# Altium PCB Copy of PCB1.PcbDoc (part 2 of 2)
Units mil, origin at the board's own origin, x right, y up, seen from the top; angles counter-clockwise.
Board outline 3937 x 3937.01 mil, 4 copper layers (Top Layer, GND_02, PWR_03, Bottom Layer), stack 23.756 mil thick; 235 components, 113 nets, 583 pads, 552 vias.
Unrouted connection lines stored in the file: 1.
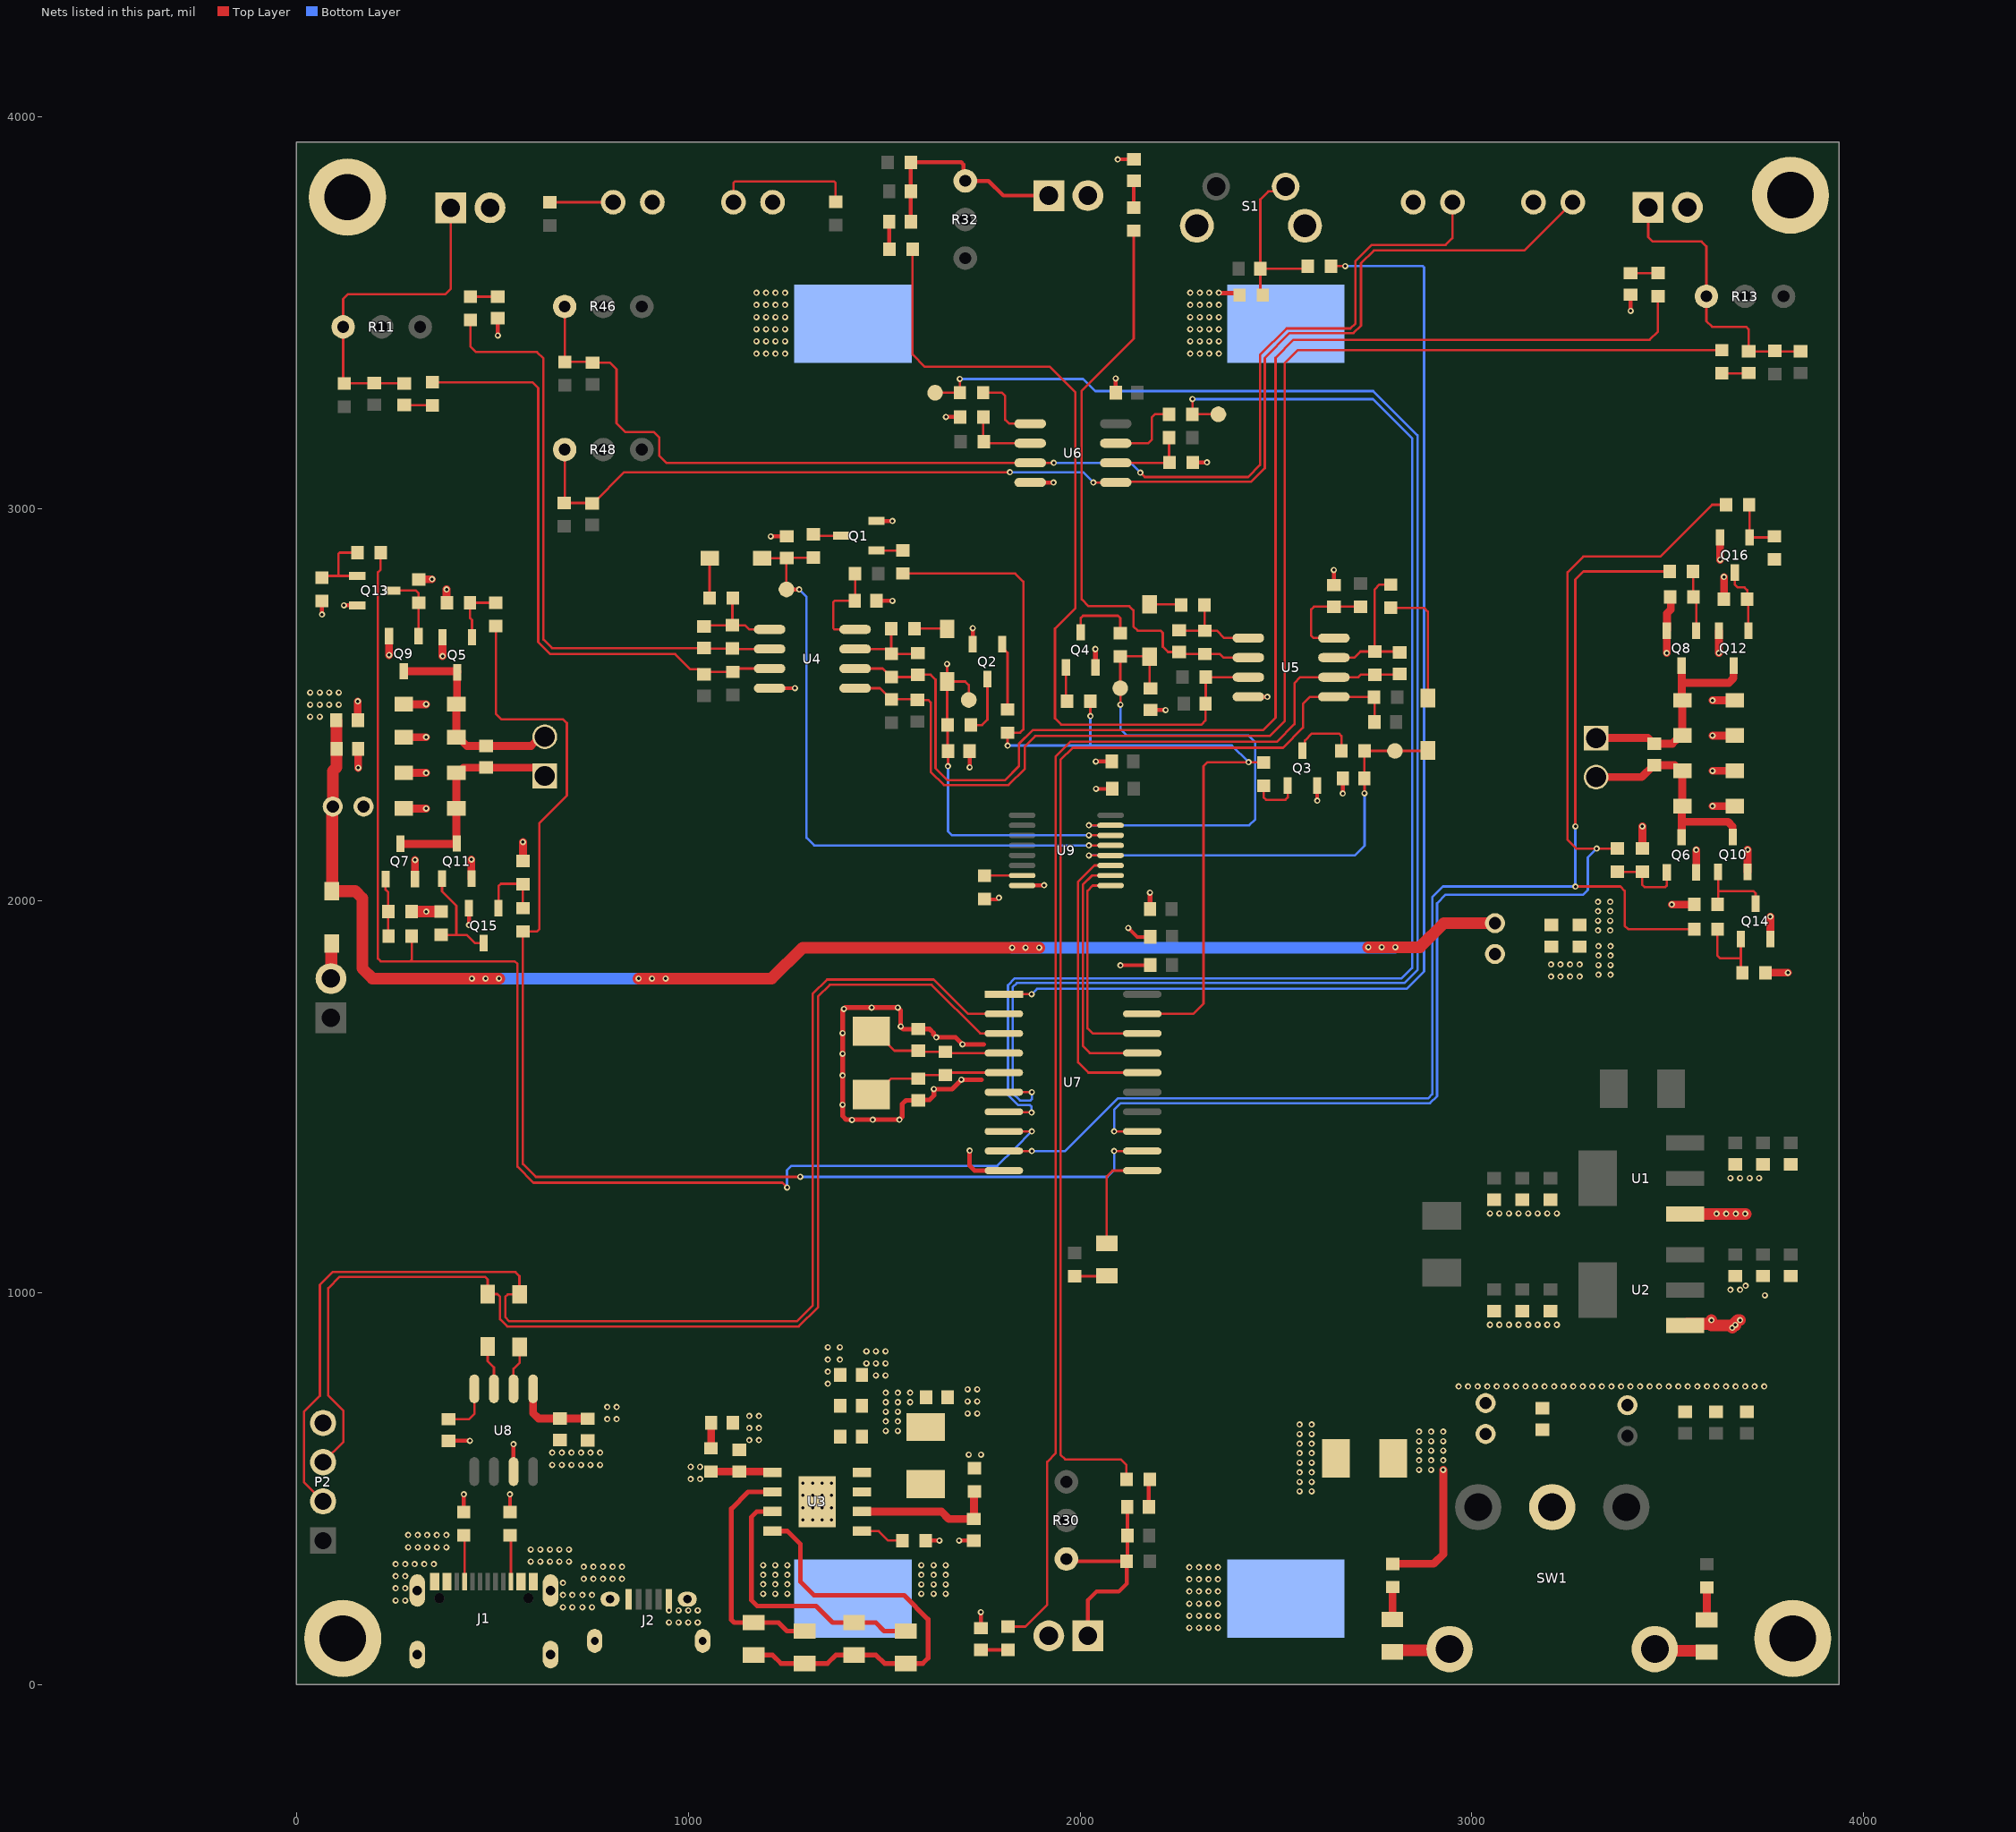
[diagram p4: the nets of this part, all layers, seen from the top]

## Via types
v1: diameter 16, hole 8, Top Layer to Bottom Layer, 552 vias

## Nets (pads, with @x,y where several pads share a name; then routed paths per layer and width w, separated by ;. In a path a pad name is that pad's centre, name@x,y a point inside that pad or via, vN(x,y) a via of type N, cw(c..) or ccw(c..) an arc to the next point about the centre after c; other vN are vias at no path point) (continued)
GND: BT1.2 BT2.2 C1.1 C2.1 C3.1 C4.1 C5.1 C6.1 C7.1 C8.1 C9.1 C10.1 C11.1 C12.1 C13.2 C14.2 C15.2 C16.1 C17.2 C18.1 C19.2 C20.1 C21.1 C22.1 C23.1 C24.1 C25.1 C26.2 C33.1 C34.1 C37.1 C38.1 C40.2 C47.1 C48.1 C49.1 C51.1 C52.2 C53.1 C54.1 C55.2 C56.1 C57.1 C58.1 C63.2 C64.1 C65.1 C66.1 C68.2 C69.2 C70.1 C71.1 C72.2 C73.2 D10.1 D11.1 D12.1 D13.1 H1.1 H2.1 H3.1 H4.1 J1.17 J1.18 J1.19 J1.20 J1.A1 J1.A12 J1.B1 J1.B12 J2.5 J2.6 LED5.2 LED6.2 LED7.1 LED8.1 LED9.2 LED10.2 MIC1.2 MIC2.2 MIC3.2 MIC4.2 P2.4 Q1.2 Q2.2 Q3.2 Q4.2 Q9.2 Q10.2 Q11.2 Q12.2 Q13.2 Q14.2 Q15.2 Q16.2 R1.1 R2.2 R7.1 R63.1 R65.1 R74.1 R75.1 R76.1 R77.1 R79.1 R82.1 S1.3 S1.4 SW1.4 SW1.5 U1.1 U2.1 U3.9 U4.4 U5.4 U6.4 U7.10 U8.3 U9.8 | length 4282.7
  Top Layer w10: v1(65,2731) R76.1@65,2765.34 ; v1(120.97,2754.4) Q13.2@155.32,2754.4 ; C63.2@388,622.44 v1(442.56,622.44) ; R1.1@427,440.31 v1(427,486) ; v1(440.4,1938.6) Q15.2@440.4,1981.68 ; v1(514,3443) C37.1@514,3487 ; R2.2@545,440.31 v1(545,486) ; U8.3@554,544 v1(554,614) ; U4.4@1207.5,2542.98 v1(1271.98,2542.98) ; v1(1210.58,2930.53) C33.1@1251.6,2930.53 ; C26.2@1480.15,2765.98 v1(1521.18,2765.98) ; Q1.2@1480.28,2969.58 v1(1521.3,2969.58) ; R7.1@1605.65,368 v1(1641,368) ; v1(1657.35,3235) R63.1@1693.69,3235 ; v1(1691.11,367.89) C25.1@1729,367.89 ; v1(1718.15,2340.95) C34.1@1718.15,2381.98 ; Q2.2@1726,2655.35 v1(1726,2696.37) ; C49.1@1746.9,144.21 v1(1746.9,185.1) ; R82.1@1756,2005.34 1757.35,2004 1787.38,2004 1791.38,2008 v1(1793,2008) ; U9.8@1852.2,2039.4 1852.5,2039.7 1907.7,2039.7 v1(1908,2040) ; U6.4@1872.7,3068 v1(1932,3068) ; v1(2039.89,2356) C73.2@2080.89,2356 ; v1(2040.89,2286) C72.2@2081.89,2286 ; C58.1@2090.89,3297 v1(2090.89,3333.34) ; v1(2096.11,3892.56) C51.1@2137,3892.56 ; v1(2103,1836) C66.1@2180.44,1836 ; v1(2123,1931) 2146,1908 C65.1@2180.44,1908 ; C48.1@2179.6,2487.42 v1(2218.08,2487.42) ; R65.1@2287.31,3119 v1(2323.65,3119) ; U5.4@2429.5,2520.98 v1(2478,2520.99) ; v1(2605.2,2255.82) Q3.2@2605.2,2294.3 ; C40.2@2647.6,2806.09 v1(2647.6,2844.56) ; v1(2670.49,2274.5) C47.1@2670.49,2312.98 ; v1(3405,3506) C38.1@3405,3547
  Top Layer w12: v1(1718,1363) 1718,1325 1731,1312 U7.10@1805.33,1312 ; 1748,1544 v1(1697,1544) 1673,1520 v1(1627,1520) 1627,1503.89 1615.69,1492.58 1588.13,1492.58 C70.1@1587,1491.44 1555.44,1491.44 1546,1482 1546,1449.03 v1(1538.97,1442) v1(1470.99,1442) 1403,1442 1394,1451 v1(1394,1480) v1(1394,1555) v1(1394,1610) v1(1394,1663) 1394,1720.97 v1(1397.51,1724.49) 1401.03,1728 v1(1468,1728) v1(1534.97,1728) 1542,1720.97 v1(1542,1679.97) 1549.03,1672.94 1586.83,1672.94 C71.1@1587,1673.11 1615.89,1673.11 1626,1663 1626,1659.03 v1(1633.03,1652) 1682,1652 v1(1700,1634) 1753.76,1634 ; Q4.2@2039.2,2596.3 v1(2039.2,2642.8) ; C64.1@2178.44,1979 v1(2178.44,2021.44) ; v1(2354.13,3552) 2354.9,3551.23 2401.77,3551.23 R79.1@2407,3546
  Top Layer w20: C54.1@156.56,2461 v1(156.56,2509.28) ; v1(157.56,2339.72) C53.1@157.56,2388 ; v1(236.4,2627.4) Q9.2@236.4,2675.68 ; D10.1@274.1,2236 v1(331,2236) ; D11.1@274.1,2502 v1(331,2502) ; Q11.2@446.6,2057.32 v1(446.6,2105.6) ; R74.1@578,2102.31 v1(578,2150.59) ; v1(3614,2332) D13.1@3670.9,2332 ; v1(3614,2422) D12.1@3670.9,2422 ; v1(3630.4,2632.78) Q12.2@3630.4,2689.68 ; v1(3633.4,2870.78) Q16.2@3633.4,2927.68 ; Q10.2@3703.6,2074.32 v1(3703.6,2131.22) ; R77.1@3749.65,1817 v1(3806.56,1817) ; Q14.2@3761.6,1903.32 v1(3761.6,1960.22)
  Top Layer w30: LED6.2@2797,84 2800.45,87.45 2939.75,87.45 SW1.4@2943.2,90.9 ; SW1.5@3466.8,90.9 3470.75,86.95 3595.05,86.95 LED5.2@3599,83 ; U2.1@3544.2,916.5 3548.5,920.8 3601.66,920.8 v1(3611.24,930.38) ; U1.1@3544.2,1201.5 v1@3698.5,1201.5 ; 3611.24,916.5 v1@3664.44,916.5 ; v1(3664.44,911) v1@3664.44,916.5 ; v1@3672.18,916.5 v1(3672.18,918.19) ; v1(3684.37,930.38) 3678.32,930.38 v1@3664.44,916.5
  other v1: 951,159 975.38,159 999.75,159 1024.13,159 951,190 975.38,190 999.75,190 1024.13,190 680,198 704.38,198 730,198 754.38,198 253,215 277.38,215 680,229 704.38,229 730,229 754.38,229 1191,232 1222,232 1253,232 1595,231.87 1626,231.87 1657,231.87 253,246 277.38,246 1191,256.38 1222,256.38 1253,256.38 1595,256.25 1626,256.25 1657,256.25 680,260 253,277 277.38,277 1191,280.75 1222,280.75 1253,280.75 1595,280.62 1626,280.62 1657,280.62 1191,305.13 1222,305.13 1253,305.13 1595,305 1626,305 1657,305 253,308 277.38,308 301.75,308 326.13,308 350.51,308 1292.87,421 1317.25,421 1341.62,421 1366,421 1292.87,452 1317.25,452 1341.62,452 1366,452 1292.87,483 1317.25,483 1341.62,483 1366,483 1292.87,514 1317.25,514 1341.62,514 1366,514 653,561 677.38,561 701.75,561 726.13,561 750.51,561 774.89,561 653,592 677.38,592 701.75,592 726.13,592 750.51,592 774.89,592 1155.62,624 1180,624 1155.62,655 1180,655 1155.62,686 1180,686 1713,692 1737.38,692 1713,723 1737.38,723 1713,754 1737.38,754 2966,761 2990.38,761 3014.75,761 3039.13,761 3063.51,761 3087.89,761 3112.26,761 3136.64,761 3161.02,761 3185.39,761 3209.77,761 3234.15,761 3258.53,761 3282.9,761 3307.28,761 3331.66,761 3356.04,761 3380.41,761 3404.79,761 3429.17,761 3453.54,761 3477.92,761 3502.3,761 3526.68,761 3551.05,761 3575.43,761 3599.81,761 3624.18,761 3648.56,761 3672.94,761 3697.32,761 3721.69,761 3746.07,761 1356,768 1356,799 1356,830 1387,830 1356,861 1387,861 3046,918.56 3070.38,918.56 3094.75,918.56 3119.13,918.56 3143.51,918.56 3167.89,918.56 3192.26,918.56 3216.64,918.56 3747.56,993.57 3660,1008 3684.38,1008 3698.81,1017.95 3624.62,1202 3649,1202 3673.38,1202 3697.75,1202 3046,1202.56 3070.38,1202.56 3094.75,1202.56 3119.13,1202.56 3143.51,1202.56 3167.89,1202.56 3192.26,1202.56 3216.64,1202.56 3660,1293 3684.38,1293 3708.75,1293 3733.13,1293 1418,1441 3201.87,1807 3226.25,1807 3250.62,1807 3275,1807 3323,1812 3354,1812 3323,1836.38 3354,1836.38 3201.87,1838 3226.25,1838 3250.62,1838 3275,1838 3323,1860.75 3354,1860.75 3323,1885.13 3354,1885.13 2281,3397 2305.38,3397 2329.75,3397 2354.13,3397 2281,3428 2305.38,3428 2329.75,3428 2354.13,3428 2281,3459 2305.38,3459 2329.75,3459 2354.13,3459 2281,3490 2305.38,3490 2329.75,3490 2354.13,3490 2281,3521 2305.38,3521 2329.75,3521 2354.13,3521 2281,3552 2305.38,3552 2329.75,3552
MCU_RXD: D15.2 P2.2 U7.2 | length 3395.3
  Top Layer w6: P2.2@68,468 19,517 19,696.33 59.67,737 59.67,1020.67 92,1053 559,1053 569.01,1042.99 569.01,996.89 D15.2@570,995.9 538.9,995.9 533,990 533,938 543.39,927.61 1277.61,927.61 1317.57,967.57 1317.57,1762.57 1354.44,1799.43 1626.56,1799.43 1714,1712 U7.2@1805.33,1712
MCU_TXD: D14.1 P2.3 U7.3 | length 3203.2
  Top Layer w6: P2.3@68,568 120,620 120,699 81,738 81,1011.84 110.16,1041 481,1041 488,1034 D14.1@488,996.8 513.2,996.8 519.57,990.43 519.57,932.44 537.82,914.18 1282.18,914.18 1331,963 1331,1756 1361,1786 1621,1786 1745,1662 U7.3@1805.33,1662
Motor_5V: C52.1 C53.2 C54.2 C55.1 C56.2 C57.2 D5.2 D6.2 D7.2 D8.2 D9.2 Q5.2 Q6.2 Q7.2 Q8.2 R50.2 R51.2 R52.2 R53.2 R66.2 R67.2 R68.2 R69.2 | length 4786.9
  Top Layer w20: C54.2@101.44,2461 C54.2@101.94,2460.5 ; D6.2@274.1,2327 v1(331,2327) ; D7.2@274.1,2418 v1(331,2418) ; Q7.2@302.6,2056.32 v1(302.6,2104.6) ; R67.2@312,2820.31 312.69,2821 v1(346,2821) ; v1(372.8,2624.72) Q5.2@372.8,2673 ; R51.2@383,2761.69 v1(383,2795) ; R53.2@3435,2133.66 v1(3435,2190.56) ; v1(3497.4,2632.78) Q8.2@3497.4,2689.68 3497,2690.08 3497.87,2690.95 3497.87,2733.87 3508,2744 3508,2773.69 R52.2@3505.69,2776 ; v1(3510.44,1991) R69.2@3567.35,1991 ; Q6.2@3572.6,2073.32 v1(3572.6,2130.22) ; v1(3614,2242) D9.2@3670.9,2242 ; v1(3614,2512) D8.2@3670.9,2512 ; R68.2@3643.35,2770 v1(3643.35,2826.9)
  Top Layer w30: C54.2@101.44,2461 101.44,2459.03 102.44,2458.03 C53.2@102.44,2388 102.44,2341.44 92.63,2331.63 C52.1@92.63,2241 91.31,2239.68 91.31,2026.22 D5.2@90,2024.9 150.43,2024.9 168,2007.33 168,1828 194,1802 v1(448,1802) v1(482.5,1802) v1(517,1802) ; R50.2@293.65,1973 R66.2@369,1973 ; v1(873,1802) v1(907.5,1802) v1(942,1802) 1213,1802 1292,1881 v1(1826.5,1881) v1(1861,1881) v1(1895.5,1881) ; v1(2735.5,1882) v1(2770,1882) v1(2804.5,1882) 2867,1882 2928.37,1943.37 C55.1@3059,1943.37
  Bottom Layer w30: v1(448,1802) v1(482.5,1802) v1(517,1802) v1(873,1802) v1(907.5,1802) v1(942,1802) ; v1(1826.5,1881) v1(1861,1881) v1(1895.5,1881) 2803.5,1881 v1(2804.5,1882)
  other v1: 3322,1925 3353,1925 3322,1949.38 3353,1949.38 331.33,1973 3322,1973.75 3353,1973.75 3322,1998.13 3353,1998.13 35,2470 59.38,2470 35,2501 59.38,2501 83.75,2501 108.13,2501 35,2532 59.38,2532 83.75,2532 108.13,2532
Motor_L+: R58.1 R72.2 U7.8 | length 3474.7
  Top Layer w6: R72.2@214.65,2889 214.65,2845.66 207.93,2838.93 207.93,1853.07 215,1846 290.8,1846 ; R58.1@294.31,1910 294.31,1849.51 290.8,1846 ; v1(1252,1269) 1240,1281 605,1281 564,1322 564,1839 557,1846 290.8,1846 ; U7.8@1805.33,1412 v1(1877,1412)
  Bottom Layer w6: v1(1252,1269) 1252,1313 1263,1324 1789,1324 1834.54,1369.54 v1(1877,1412)
Motor_L-: R59.2 R70.2 U7.12 | length 3257.4
  Top Layer w6: R59.2@509,2701.34 509,2478 523.5,2463.5 680.5,2463.5 690,2454 690,2269 620,2199 620,1928 614.35,1922.34 R70.2@578,1922.34 578,1329 611,1296 v1(1286,1296) ; v1(2087,1362) U7.12@2158.67,1362
  Bottom Layer w6: v1(1286,1296) 2070,1296 2087,1313 v1(2087,1362)
Motor_R+: R60.1 R73.2 U7.9 | length 3466.2
  Top Layer w6: U7.9@1805.33,1362 v1(1877,1362) ; v1(3264,2037) 3379,2037 3390,2026 3390,1937 3399,1928 R73.2@3567.35,1928 ; v1(3264,2190.5) 3264,2820 3285,2841 R60.1@3505,2841
  Bottom Layer w6: v1(1877,1362) 1962,1362 2096,1496 2888,1496 2899,1507 2899,2010 2926,2037 v1(3264,2037) v1(3264,2190.5)
Motor_R-: R61.2 R71.2 U7.13 | length 3266.1
  Top Layer w6: v1(2087,1412) U7.13@2158.67,1412 ; R61.2@3371,2133.66 v1(3318.67,2133.66) 3266.35,2133.66 3244,2156 3244,2839 3284,2879 3481,2879 3613,3011 R71.2@3648.35,3011
  Bottom Layer w6: v1(2087,1412) 2087,1467 2104,1484 2892.97,1484 2911,1502.03 2911,1994 2933,2016 3284,2016 3295.88,2027.88 3295.88,2110.86 v1(3318.67,2133.66)
NetC24_2: C24.2 R3.1 | length 65.9
  Top Layer w20: R3.1@1058,603.31 1058.22,603.53 1058.22,668.78 C24.2@1058.44,669
NetC25_2: C25.2 R5.1 U3.6 | length 364.1
  Top Layer w20: U3.6@1443.5,442 1646,442 1665,423 C25.2@1729,423 1729.5,423.5 1729.5,492.84 R5.1@1730,493.34
NetC26_1: C26.1 R8.1 U4.8 | length 249.1
  Top Layer w6: U4.8@1425.8,2692.98 1373.49,2692.98 1369.98,2696.49 1369.98,2762.46 1373.49,2765.98 C26.1@1425.04,2765.98 1425.94,2766.88 R8.1@1425.94,2834.98
NetC27_1: C27.1 R9.1 R15.2 U4.3 | length 1554.7
  Top Layer w6: R15.2@347,3323.66 602.35,3323.66 617,3309 617,2661 648,2630 967,2630 1005.72,2591.28 1026.85,2591.28 C27.1@1039.6,2578.53 1045.7,2584.63 R9.1@1113.6,2584.63 1121.94,2592.98 U4.3@1207.5,2592.98
NetC28_1: C28.1 R10.1 R16.2 U4.5 | length 3446
  Top Layer w6: U4.5@1425.8,2542.98 1489.12,2542.98 1517.47,2514.63 R10.1@1518.6,2514.63 1582.94,2514.63 C28.1@1584.6,2512.98 1612.6,2512.98 1619,2506.58 1619,2329.79 1652.79,2296 1817.21,2296 1859,2337.79 1859,2394.79 1885.21,2421 2484.19,2421 2522,2458.81 2522,3372 2555.65,3405.66 R16.2@3638,3405.66
NetC29_1: C29.1 C31.1 MIC1.1 R11.3 R12.1 | length 862
  Top Layer w6: C31.1@275,3320.56 274.9,3320.66 R12.1@122,3320.66 119.2,3323.45 R11.3@119.2,3465 119.2,3536.2 131,3548 379.55,3548 394,3562.45 MIC1.1@394,3769
NetC30_1: C30.1 C32.1 MIC2.1 R13.3 R14.1 | length 731.6
  Top Layer w6: MIC2.1@3450,3770 3450,3694 3461,3683 3586,3683 3598.6,3670.4 R13.3@3598.6,3543 3598.6,3479.4 3613,3465 3700,3465 3706,3459 C32.1@3706,3402.56 3771.9,3402.56 R14.1@3773,3403.66 3774.1,3402.56 C30.1@3839,3402.56
NetC31_2: C31.2 R15.1 | length 72.5
  Top Layer w6: C31.2@275,3265.44 345.9,3265.44 R15.1@347,3264.34
NetC32_2: C32.2 R16.1 | length 68.5
  Top Layer w6: R16.1@3638,3346.34 3704.9,3346.34 C32.2@3706,3347.44
NetC35_1: C35.1 R23.2 R24.1 U4.2 | length 1571.2
  Top Layer w6: R23.2@444,3482.9 444,3415 458,3401 614,3401 630.58,3384.42 630.58,2667.42 652.58,2645.42 C35.1@1039.6,2645.42 1040.7,2644.32 R24.1@1112.6,2644.32 1113.94,2642.98 U4.2@1207.5,2642.98
NetC35_2: C35.2 R17.1 R24.2 U4.1 | length 243.4
  Top Layer w6: C35.2@1039.6,2700.53 1042.7,2703.63 R24.2@1112.6,2703.63 ; R17.1@1113.6,2772.98 1112.6,2771.98 R24.2@1112.6,2703.63 ; U4.1@1207.5,2692.98 1155.73,2692.98 1145.07,2703.63 R24.2@1112.6,2703.63
NetC36_1: C36.1 R25.2 R26.1 U4.6 | length 3440
  Top Layer w6: U4.6@1425.8,2592.98 1495.81,2592.98 1517.47,2571.32 R26.1@1518.6,2571.32 1579.5,2571.32 C36.1@1585.6,2577.42 1618.58,2577.42 1631,2565 1631,2339 1662,2308 1808,2308 1844,2344 1844,2401 1879,2436 2467,2436 2499,2468 2499,3386 2545,3432 3454,3432 3475,3453 R25.2@3475,3542.9
NetC36_2: C36.2 R18.1 R26.2 U4.7 | length 230.3
  Top Layer w6: U4.7@1425.8,2642.98 1505.12,2642.98 1517.47,2630.63 R26.2@1518.6,2630.63 ; R18.1@1517.94,2694.98 1517.94,2631.29 R26.2@1518.6,2630.63 ; C36.2@1585.6,2632.53 1583.7,2630.63 R26.2@1518.6,2630.63
NetC37_2: C37.2 R23.1 | length 70
  Top Layer w6: R23.1@444,3542.21 444.1,3542.11 C37.2@514,3542.11
NetC38_2: C38.2 R25.1 | length 70
  Top Layer w6: C38.2@3405,3602.11 3405.1,3602.21 R25.1@3475,3602.21
NetC39_1: C39.1 R28.1 R34.2 U5.5 | length 2955.2
  Top Layer w6: R34.2@2118.35,524 2118.35,560.66 2104,575 1962,575 1950,587 1950,2359.79 1981.21,2391 2518,2391 2569,2442 2569,2503 2586.98,2520.98 U5.5@2647.8,2520.98 2748.94,2520.98 2751.44,2518.48 C39.1@2751.44,2457
NetC40_1: C40.1 R27.1 U5.8 | length 255.8
  Top Layer w6: U5.8@2647.8,2670.98 2595.88,2670.98 2590.02,2676.83 2590.02,2744.02 2596.98,2750.98 C40.1@2647.6,2750.98 R27.1@2715.6,2750.98
NetC41_1: C41.1 R29.1 R35.2 U5.3 | length 2192.3
  Top Layer w6: R35.2@1572.65,3663 1572.65,3394.34 1604,3363 1923,3363 1988,3298 1988,2747 1936,2695 1936,2466 1952,2450 2310,2450 2320.15,2460.16 C41.1@2320.15,2503.98 2320.6,2504.42 R29.1@2320.6,2570.98 U5.3@2429.5,2570.98
NetC42_1: C42.1 C44.1 MIC4.1 R30.3 R31.1 | length 560.9
  Top Layer w10: R30.3@1965,321 1971,315 R31.1@2119,315 ; MIC4.1@2020,125 2020,216 2042,238 2099,238 2119,258 R31.1@2119,315 ; C44.1@2120.44,454 2121,453.44 C42.1@2121,381 2121,317 R31.1@2119,315
NetC43_1: C43.1 C45.1 MIC3.1 R32.3 R33.1 | length 561.1
  Top Layer w10: C45.1@1568.11,3733 1568.02,3733.09 R33.1@1568.02,3885 1696.74,3885 1702.6,3879.14 1702.6,3841.8 R32.3@1707,3837.4 1766.6,3837.4 1804,3800 MIC3.1@1920,3800
NetC44_2: C44.2 R34.1 | length 70.9
  Top Layer w10: C44.2@2175.56,454 2175.56,521.9 R34.1@2177.65,524
NetC45_2: C45.2 R35.1 | length 70.1
  Top Layer w10: C45.2@1513,3733 1513,3663.34 R35.1@1513.35,3663
NetC46_1: C46.1 R40.2 R41.1 U5.6 | length 3324
  Top Layer w6: R40.2@1815.9,148.31 1860.31,148.31 1916,204 1916,569 1938,591 1938,2369 1975,2406 2502,2406 2547,2451 2547,2556 2561.98,2570.98 U5.6@2647.8,2570.98 2709.98,2570.98 2716.35,2577.34 R41.1@2752,2577.34 2813.9,2577.34 C46.1@2816,2579.44
NetC46_2: C46.2 R36.1 R41.2 U5.7 | length 380.2
  Top Layer w6: U5.7@2647.8,2620.98 2699.98,2620.98 2715.65,2636.66 R41.2@2752,2636.66 ; R36.1@2793,2807.31 2764.31,2807.31 2752,2795 R41.2@2752,2636.66 ; C46.2@2816,2634.56 2815.76,2634.31 2813.41,2636.66 R41.2@2752,2636.66
NetC49_2: C49.2 R40.1 | length 69
  Top Layer w10: C49.2@1746.9,89.1 1747,89 R40.1@1815.9,89
NetC50_1: C50.1 R44.2 R45.1 U5.2 | length 1527.2
  Top Layer w6: R44.2@2137,3710.34 2137,3435 2004,3302 2004,2770 2022,2752 2126,2752 2136,2742 2136,2701 2147.02,2689.98 2205.02,2689.98 2211.1,2683.9 2211.1,2648.9 2224.58,2635.42 C50.1@2252.6,2635.42 2257.7,2630.32 R45.1@2318.6,2630.32 2356.68,2630.32 2366.02,2620.98 U5.2@2429.5,2620.98
NetC50_2: C50.2 R37.1 R45.2 U5.1 | length 250.8
  Top Layer w6: C50.2@2252.6,2690.53 2253.5,2689.63 R45.2@2318.6,2689.63 ; R37.1@2317.6,2754.98 2317.6,2690.63 R45.2@2318.6,2689.63 ; U5.1@2429.5,2670.98 2368.02,2670.98 2349.37,2689.63 R45.2@2318.6,2689.63
NetC51_2: C51.2 R44.1 | length 67.8
  Top Layer w10: R44.1@2137,3769.66 C51.2@2137,3837.44
NetC59_1: C59.1 LED7.2 R46.3 R47.1 U6.3 | length 3238.5
  Top Layer w6: R46.3@684.6,3517 684.6,3376.06 R47.1@685,3375.66 753.9,3375.66 C59.1@756,3373.56 800.44,3373.56 817,3357 817,3219 839,3197 911.49,3197 926,3182.49 926,3136 944,3118 U6.3@1872.7,3118 v1(1933,3118) ; v1(2154,3093) 2165.1,3081.9 2429.1,3081.9 2459.4,3112.2 2459.4,3393.4 2527,3461 2690,3461 2703,3474 2703,3633 2744,3674 2933,3674 2950.3,3691.3 LED7.2@2950.3,3783
  Bottom Layer w6: v1(1933,3118) 2129,3118 v1(2154,3093)
NetC60_1: C60.1 LED8.2 R48.3 R49.1 U6.5 | length 3309.5
  Top Layer w6: R48.3@684.6,3152 684.6,3017.25 R49.1@683,3015.66 753.9,3015.66 C60.1@755,3014.56 756.97,3014.56 836.41,3094 v1(1821,3094) ; v1(2034,3068) U6.5@2091,3068 2092.9,3069.9 2436.9,3069.9 2471.4,3104.4 2471.4,3385.6 2534.8,3449 2697.8,3449 2717,3468.2 2717,3627.2 2749.8,3660 3134.3,3660 LED8.2@3257.3,3783
  Bottom Layer w6: v1(1821,3094) 2008,3094 v1(2034,3068)
NetC61_1: C61.1 D6.1 D10.2 J3.1 Q7.3 Q11.3 | length 568.3
  Top Layer w20: Q7.3@265.47,2146.16 Q7.3@265,2145.69 408.53,2145.69 409,2146.16 Q11.3@409,2146.69 ; Q11.3@408.53,2147.16 Q11.3@409,2146.69 ; D10.2@408.53,2235.37 D10.2@407.9,2236 ; J3.1@634,2319 612.56,2340.44 C61.1@484,2340.44 426.24,2340.44 412.8,2327 D6.1@407.9,2327 D10.2@407.9,2236 ; D10.2@407.9,2236 407.9,2158.38 409,2157.28 Q11.3@409,2146.69
NetC61_2: C61.2 D7.1 D11.2 J3.2 Q5.3 Q9.3 | length 550.6
  Top Layer w20: Q9.3@274,2586.31 409.93,2586.31 410.4,2585.84 Q5.3@410.4,2583.63 409.93,2583.16 409.93,2504.03 D11.2@407.9,2502 D7.1@407.9,2418 412.8,2418 435.24,2395.56 C61.2@484,2395.56 598.92,2395.56 622.36,2419 J3.2@634,2419
NetC62_1: C62.1 D8.1 D12.2 J4.1 Q8.3 Q12.3 | length 582.7
  Top Layer w20: J4.1@3317,2416 3449.59,2416 3464.03,2401.56 C62.1@3466,2401.56 3511.78,2401.56 D12.2@3523.5,2413.27 ; D12.2@3523.5,2413.3 3532.2,2422 D12.2@3537.1,2422 D8.1@3537.1,2512 3535.47,2513.63 3535.47,2556.73 ; Q8.3@3535,2600.31 3535.47,2599.84 3535.47,2556.73 ; Q12.3@3668,2600.31 3667.53,2599.84 3667.53,2568.45 3655.81,2556.73 3535.47,2556.73
NetC62_2: C62.2 D9.1 D13.2 J4.2 Q6.3 Q10.3 | length 570.3
  Top Layer w20: J4.2@3317,2316 3433.59,2316 3464.03,2346.44 C62.2@3466,2346.44 3517.76,2346.44 3532.2,2332 D13.2@3537.1,2332 D9.1@3537.1,2242 3535.47,2240.37 3535.47,2201.77 ; Q6.3@3535,2162.69 3535.47,2163.16 3535.47,2201.77 ; Q10.3@3666,2163.69 3665.53,2164.16 3665.53,2190.05 3653.81,2201.77 3535.47,2201.77
NetC63_1: C63.1 U8.8 | length 135.8
  Top Layer w6: C63.1@388,677.56 440.56,677.56 454,691 U8.8@454,755.2
NetC67_1: C67.1 R78.1 R79.2 S1.1 | length 448.8
  Top Layer w6: R79.2@2466.31,3546 2460,3552.31 C67.1@2460,3613 ; S1.1@2524.6,3823 2512.18,3810.58 2480.58,3810.58 2460,3790 C67.1@2460,3613 ; R78.1@2581,3620 2574,3613 C67.1@2460,3613
NetD1_1: D1.1 R17.2 | length 102.2
  Top Layer w6: R17.2@1054.29,2772.98 1054.29,2874.57 D1.1@1054.7,2874.98
NetD2_1: D2.1 R18.2 | length 83.8
  Top Layer w6: R18.2@1577.26,2694.98 1659.5,2694.98 D2.1@1660.6,2693.88
NetD3_1: D3.1 R36.2 | length 319.1
  Top Layer w6: R36.2@2793,2748 2878,2748 2887.6,2738.4 D3.1@2887.6,2517.88
NetD4_1: D4.1 R37.2 | length 81.5
  Top Layer w6: D4.1@2177.6,2756.88 2256.39,2756.88 R37.2@2258.29,2754.98
NetD5_1: D5.1 P1.2 | length 89.9
  Top Layer w30: P1.2@88,1802 89,1803 89,1890.1 D5.1@90,1891.1
NetD14_2: D14.2 U8.7 | length 114.4
  Top Layer w6: D14.2@488,863 488,826 504,810 U8.7@504,755.2
NetD15_1: D15.1 U8.6 | length 113.5
  Top Layer w6: U8.6@554,755.2 554,806 570,822 D15.1@570,862.1
NetJ1_A5: J1.A5 R1.2 | length 118.9
  Top Layer w6: R1.2@427,381 429.26,378.74 J1.A5@429.26,263
NetJ1_B5: J1.B5 R2.1 | length 119
  Top Layer w6: R2.1@545,381 547.37,378.63 J1.B5@547.37,263
NetLED1_1: LED1.1 LED2.2 U3.2 | length 604.7
  Top Layer w12: U3.2@1214.5,492 1153,492 1110,449 1110,165.38 1117.03,158.35 LED1.1@1167,158.35 1230.65,158.35 1251.92,137.08 LED2.2@1297,137.08
NetLED1_2: LED1.2 LED2.1 LED3.2 LED4.1 U3.4 | length 1123
  Top Layer w12: LED1.2@1167,75.65 1215.35,75.65 1236.62,54.38 LED2.1@1297,54.38 1355.38,54.38 1376.65,75.65 LED3.2@1423,75.65 1479.35,75.65 1500.62,54.38 LED4.1@1555,54.38 1598.38,54.38 1612,68 1612,167 1551,228 1321,228 1286,263 1286,359 1253,392 U3.4@1214.5,392
NetLED3_1: LED3.1 LED4.2 U3.3 | length 698
  Top Layer w12: U3.3@1214.5,442 1175,442 1161,428 1161,216 1176,201 1326,201 1368.65,158.35 LED3.1@1423,158.35 1478.65,158.35 1499.92,137.08 LED4.2@1555,137.08
NetLED5_1: LED5.1 R4.1 | length 83.1
  Top Layer w20: LED5.1@3599,165.7 3599.5,166.2 3599.5,247.84 R4.1@3600,248.34
NetLED6_1: LED6.1 R6.1 | length 83.1
  Top Layer w20: LED6.1@2797,166.7 2797.5,167.2 2797.5,248.84 R6.1@2798,249.34
NetLED9_1: LED9.1 R54.1 | length 161.4
  Top Layer w6: R54.1@647,3782.66 647.35,3783 LED9.1@808.3,3783
NetLED10_1: LED10.1 R55.1 | length 361.9
  Top Layer w6: LED10.1@1115.3,3783 1115.3,3832.49 1118.81,3836 1372.49,3836 1376,3832.49 R55.1@1376,3783.66
NetLED11_1: LED11.1 R81.2 | length 82.5
  Top Layer w6: R81.2@1986,1042.34 2066.69,1042.34 LED11.1@2068,1043.65
NetPL3_1: PL3.1 U3.7
NetQ1_1: Q1.1 R21.2 | length 67.6
  Top Layer w6: Q1.1@1480.28,2894.38 1547,2894.38 R21.2@1547.6,2894.98
NetQ1_3: Q1.3 R19.1 | length 72.7
  Top Layer w6: R19.1@1319.6,2935.29 1322.91,2931.98 Q1.3@1390.91,2931.98
NetQ2_1: Q2.1 R22.2 | length 173.9
  Top Layer w6: Q2.1@1801.2,2655.35 1801.2,2644.76 1806.67,2639.28 1809.14,2639.28 1815,2633.43 R22.2@1815,2488.66
NetQ2_3: Q2.3 R20.1 | length 151.4
  Top Layer w6: R20.1@1721.26,2448.98 1749.98,2448.98 1763.6,2462.6 Q2.3@1763.6,2565.98
NetQ3_1: Q3.1 R42.2 | length 127.2
  Top Layer w6: R42.2@2468.6,2294.32 2468.6,2263.86 2474.46,2258 2524.14,2258 2530,2263.86 Q3.1@2530,2294.3
NetQ3_3: Q3.3 R38.1 | length 169.5
  Top Layer w6: Q3.3@2567.6,2383.67 2573.77,2389.83 2573.77,2409.77 2591,2427 2661,2427 2666.94,2421.06 R38.1@2666.94,2382.98
NetQ4_1: Q4.1 R43.2 | length 87.5
  Top Layer w6: Q4.1@1964,2596.3 1964,2512.92 R43.2@1966.94,2509.98
NetQ4_3: Q4.3 R39.1 | length 180.8
  Top Layer w6: Q4.3@2001.6,2685.67 2001.6,2722.14 2007.46,2728 2096.74,2728 2102.6,2722.14 R39.1@2102.6,2683.63
NetQ5_1: Q5.1 R51.1 R59.1 | length 156.2
  Top Layer w6: Q5.1@448,2673 448,2717 443,2722 R51.1@443,2761 508.65,2761 R59.1@509,2760.66
NetQ6_1: Q6.1 R53.1 R61.1 | length 197.9
  Top Layer w6: R61.1@3371,2074.34 R53.1@3435,2074.34 3435,2041 3440.6,2035.4 3493.89,2035.4 3497.4,2038.91 Q6.1@3497.4,2073.32
NetQ7_1: Q7.1 R50.1 R58.2 | length 149.5
  Top Layer w6: Q7.1@227.4,2056.32 227.4,2028.6 234.35,2021.66 R50.1@234.35,1973 234.35,1910.66 R58.2@235,1910
NetQ8_1: Q8.1 R52.1 R60.2 | length 154.8
  Top Layer w6: R60.2@3564.31,2841 3565,2840.31 R52.1@3565,2776 3572.6,2768.4 Q8.1@3572.6,2689.68
NetQ9_1: Q9.1 Q13.3 R67.1 | length 179.7
  Top Layer w6: Q13.3@244.69,2792 305,2792 312,2785 R67.1@312,2761 312,2676.08 Q9.1@311.6,2675.68
NetQ10_1: Q10.1 Q14.3 R69.1 | length 209
  Top Layer w6: R69.1@3626.65,1991 3628.4,1992.75 3628.4,2025.06 ; Q10.1@3628.4,2074.32 3628.4,2025.06 ; Q14.3@3724,1992.69 3724,2020 3718.94,2025.06 3628.4,2025.06
NetQ11_1: Q11.1 Q15.3 R66.1 | length 277.1
  Top Layer w6: R66.1@369,1913.69 369.45,1913.24 408,1913.24 ; Q11.1@371.4,2057.32 371.4,2024.6 408,1988 408,1913.24 ; Q15.3@478,1892.31 455.69,1892.31 434.76,1913.24 408,1913.24
NetQ12_1: Q12.1 Q16.3 R68.1 | length 172.9
  Top Layer w6: Q16.3@3671,2838.31 3671,2808 3679,2800 3696,2800 3702.65,2793.34 R68.1@3702.65,2770 3705.6,2767.06 Q12.1@3705.6,2689.68
NetQ13_1: Q13.1 R72.1 R76.2 | length 198.1
  Top Layer w6: R76.2@65,2824.66 69.94,2829.6 107,2829.6 ; Q13.1@155.32,2829.6 107,2829.6 ; R72.1@155.35,2889 110.51,2889 107,2885.49 107,2829.6
NetQ14_1: Q14.1 R73.1 R77.2 | length 218
  Top Layer w6: R73.1@3626.65,1928 3626.65,1860.34 3632.94,1854.06 3686.4,1854.06 ; Q14.1@3686.4,1903.32 3686.4,1854.06 ; R77.2@3690.35,1817 3686.4,1820.94 3686.4,1854.06
NetQ15_1: Q15.1 R70.1 R74.2 | length 182.7
  Top Layer w6: Q15.1@515.6,1981.68 515.6,2037.6 522,2044 577,2044 R74.2@578,2043 R70.1@578,1981.66
NetQ16_1: Q16.1 R71.1 R75.2 | length 148.3
  Top Layer w6: R71.1@3707.65,3011 3708.6,3010.06 Q16.1@3708.6,2927.68 3769.03,2927.68 R75.2@3772,2930.66
NetR7_2: R7.2 U3.5 | length 112.8
  Top Layer w6: U3.5@1443.5,392 1486,392 1510,368 R7.2@1546.35,368
NetR56_2: R56.2 U6.1 | length 188.5
  Top Layer w6: R56.2@1752.65,3297 1801,3297 1809,3289 1809,3228 1819,3218 U6.1@1872.7,3218
NetR57_2: R57.2 U6.7 | length 200.4
  Top Layer w6: U6.7@2091,3168 2174,3168 2183,3177 2183,3234 2191,3242 R57.2@2227.35,3242
NetR62_2: R62.2 R63.2 U6.2 | length 183.8
  Top Layer w6: R63.2@1753,3235 1753,3173 R62.2@1754,3172 1758,3168 U6.2@1872.7,3168
NetR64_2: R64.2 R65.2 U6.6 | length 201.4
  Top Layer w6: U6.6@2091,3118 R65.2@2227,3118 ; R64.2@2227,3182 R65.2@2227,3118 ; R65.2@2228,3119 R65.2@2227,3118
NetR82_2: R82.2 U9.7 | length 96.3
  Top Layer w6: R82.2@1756,2064.66 1756.35,2065 U9.7@1852.2,2065
P3_7: LED11.2 U7.11 | length 267.5
  Top Layer w6: LED11.2@2068,1126.35 2068,1297 2083,1312 U7.11@2158.67,1312
Red_light_L: R56.1 TP5.1 U7.6 | length 4158.8
  Top Layer w6: TP5.1@1630,3297 R56.1@1693.35,3297 1693,3297.34 v1(1693,3332) ; U7.6@1805.33,1512 v1(1877,1512)
  Bottom Layer w6: v1(1693,3332) 2008,3332 2039,3301 2748,3301 2861,3188 2861,1824 2827.69,1790.69 1838.69,1790.69 1828,1780 1828,1510 1847,1491 1873.49,1491 1877,1494.51 v1(1877,1512)
Red_light_R: R57.1 TP6.1 U7.7 | length 3547.3
  Top Layer w6: U7.7@1805.33,1462 1806.33,1461 1875,1461 v1(1876,1460) ; v1(2286.65,3280.66) R57.1@2286.65,3242 TP6.1@2353,3242
  Bottom Layer w6: v1(1876,1460) 1876,1475.49 1872.49,1479 1842.03,1479 1816,1505.03 1816,1784.97 1833.72,1802.69 2820.69,1802.69 2847.35,1829.34 2847.35,3180.66 2747.35,3280.66 v1(2286.65,3280.66)
REL_V: R21.1 R22.1 R42.1 R43.1 U7.19 | length 2447
  Top Layer w6: R21.1@1547.6,2835.67 1834.33,2835.67 1855,2815 1855,2437.34 1847.01,2429.34 R22.1@1815,2429.34 v1(1815,2396.62) ; v1(2026.26,2471.75) R43.1@2026.26,2509.98 ; U7.19@2158.67,1712 2289,1712 2315,1738 2315,2344 2325,2354 v1(2430,2354) 2468.23,2354 R42.1@2468.6,2353.63
  Bottom Layer w6: v1(1815,2396.62) 2027,2396.62 ; v1(2026.26,2471.75) 2026.26,2397.37 2027,2396.62 ; v1(2430,2354) 2387.38,2396.62 2027,2396.62
RST: R78.2 U7.1 | length 3132.3
  Top Layer w6: U7.1@1805.33,1762 v1(1876,1762) ; R78.2@2640.31,3620 v1(2677,3620)
  Bottom Layer w6: v1(1876,1762) 1890,1776 2834,1776 2878,1820 2878,3616.49 2874.49,3620 v1(2677,3620)
S0: U7.16 U9.11 | length 735.5
  Top Layer w6: U9.11@2077.8,2090.6 2036.56,2090.6 1995,2049.04 1995,1588 2021,1562 U7.16@2158.67,1562
S1: U7.17 U9.10 | length 651.1
  Top Layer w6: U9.10@2077.8,2065 2030.54,2065 2007,2041.46 2007,1630 2025,1612 U7.17@2158.67,1612
S2: U7.18 U9.9 | length 560.4
  Top Layer w6: U9.9@2077.8,2039.4 2032.4,2039.4 2019,2026 2019,1675 2032,1662 U7.18@2158.67,1662
Signal_1: C33.2 D1.2 R19.2 TP1.1 U9.13 | length 1669.9
  Top Layer w6: D1.2@1188.5,2874.98 C33.2@1251.15,2874.98 ; TP1.1@1250.6,2794.98 1250.6,2874.42 C33.2@1251.15,2874.98 ; R19.2@1319.6,2875.98 1319.04,2875.42 C33.2@1251.6,2875.42 C33.2@1251.15,2874.98 ; v1(2022.2,2141.8) U9.13@2077.8,2141.8
  Top Layer w10: TP1.1@1250.6,2794.98 v1(1283.32,2794.98)
  Bottom Layer w6: v1(1283.32,2794.98) 1302,2776.3 1302,2161 1321.2,2141.8 v1(2022.2,2141.8)
Signal_2: C34.2 D2.2 R20.2 TP2.1 U9.14 | length 943.9
  Top Layer w6: R20.2@1660.6,2448.98 D2.2@1660.6,2560.08 ; v1(1660.6,2604.78) D2.2@1660.6,2560.08 ; R20.2@1661.94,2448.98 1661.94,2383.08 C34.2@1663.04,2381.98 1663,2381.93 v1(1663,2344) ; TP2.1@1716,2513 1716,2551 1706.92,2560.08 D2.2@1660.6,2560.08 ; v1(2022.2,2167.4) U9.14@2077.8,2167.4
  Bottom Layer w6: v1(1663,2344) 1663,2177.51 1673.11,2167.4 v1(2022.2,2167.4)
Signal_3: C48.2 D4.2 R39.2 TP4.1 U9.15 | length 1384.1
  Top Layer w6: v1(2022.2,2193) U9.15@2077.8,2193 ; v1(2103,2501) 2102.8,2501.2 2102.8,2542.78 TP4.1@2102.6,2542.98 R39.2@2102.6,2624.32 2176.35,2624.32 D4.2@2177.6,2623.08 2177.6,2544.53 C48.2@2179.6,2542.53
  Bottom Layer w6: v1(2022.2,2193) 2432,2193 2447,2208 2447,2405 2430,2422 2120,2422 2103,2439 v1(2103,2501)
Signal_4: C47.2 D3.2 R38.2 TP3.1 U9.12 | length 1173.9
  Top Layer w6: v1(2022.2,2116.2) U9.12@2077.8,2116.2 ; v1(2726,2275) 2726,2312.58 C47.2@2725.6,2312.98 2725.6,2382.32 R38.2@2726.26,2382.98 TP3.1@2803.6,2382.98 2886.5,2382.98 D3.2@2887.6,2384.08
  Bottom Layer w6: v1(2022.2,2116.2) 2701.2,2116.2 2726,2141 v1(2726,2275)
VBAT_5V: BT1.1 BT2.1 C16.2 PL3.2 R5.2
  other v1: 2279,145 2303.38,145 2327.75,145 2352.13,145 2279,176 2303.38,176 2327.75,176 2352.13,176 2279,207 2303.38,207 2327.75,207 2352.13,207 2279,238 2303.38,238 2327.75,238 2352.13,238 2279,269 2303.38,269 2327.75,269 2352.13,269 2279,300 2303.38,300 2327.75,300 2352.13,300 1716,587 1747,587 1504,647.87 1535,647.87 1504,672.25 1535,672.25 1504,696.62 1535,696.62 1504,721 1535,721 1566,721 1504,745.38 1535,745.38 1566,745.38 1174,3397 1198.38,3397 1222.75,3397 1247.13,3397 1174,3428 1198.38,3428 1222.75,3428 1247.13,3428 1174,3459 1198.38,3459 1222.75,3459 1247.13,3459 1174,3490 1198.38,3490 1222.75,3490 1247.13,3490 1174,3521 1198.38,3521 1222.75,3521 1247.13,3521 1174,3552 1198.38,3552 1222.75,3552 1247.13,3552
VBUS: C23.2 C68.1 C69.1 J1.A4 J1.A9 J1.B4 J1.B9 J2.1 R3.2 U3.1 U8.5 | length 364.5
  Top Layer w20: U8.5@604,755.2 604,693 617.44,679.56 C68.1@672,679.56 672.5,679.06 742.5,679.06 C69.1@743,678.56 ; R3.2@1058,544 C23.2@1130,544 1200.69,544 1202.69,542 U3.1@1214.5,542
  other v1: 733.49,270 757.87,270 782.25,270 806.62,270 831,270 733.49,301 757.87,301 782.25,301 806.62,301 831,301 598,314 622.38,314 646.75,314 671.13,314 695.51,314 598,345 622.38,345 646.75,345 671.13,345 695.51,345 285,351 309.38,351 333.75,351 358.13,351 382.51,351 285,382 309.38,382 333.75,382 358.13,382 382.51,382 1006,525 1030.38,525 1006,556 1030.38,556 793,678 817.38,678 793,709 817.38,709
VBUS_5V: C17.1 C18.2 PL4.2 R6.2 SW1.2 | length 354.6
  Top Layer w20: R6.2@2798,308.66 2902.65,308.66 2927,333 v1(2927,548.49)
  other v1: 2865,548.49 2896,548.49 2865,572.87 2896,572.87 2927,572.87 2865,597.25 2896,597.25 2927,597.25 2865,621.62 2896,621.62 2927,621.62 2865,646 2896,646 2927,646
VBUS_OUT: C13.1 C14.1 C15.1 PL4.1 U3.8
  other v1: 2560,493.36 2591,493.36 2560,517.74 2591,517.74 2560,542.11 2591,542.11 2560,566.49 2591,566.49 2560,590.87 2591,590.87 2560,615.25 2591,615.25 2560,639.62 2591,639.62 2560,664 2591,664 1479,789 1503.38,789 1454.62,820 1479,820 1503.38,820 1454.62,851 1479,851 1503.38,851
X1: C70.2 R80.1 U7.5 X1.1 | length 361.4
  Top Layer w6: X1.1@1467,1506.29 1476.84,1506.29 1517.11,1546.56 C70.2@1587,1546.56 1596.13,1555.69 R80.1@1656,1555.69 1662.31,1562 U7.5@1805.33,1562
X2: C71.2 R80.2 U7.4 X1.2 | length 361.4
  Top Layer w6: X1.2@1467,1667.71 1476.84,1667.71 1526.55,1618 C71.2@1587,1618 1590,1615 R80.2@1656,1615 1659,1612 U7.4@1805.33,1612
pads on no net: J1.21 J1.22 J1.A8 J1.B8 J2.4 SW1.3 U8.4 U9.1 U9.2 U9.4 U9.5

## Polygon pours and split planes (outlines as drawn)
GND on Top Layer "GND_L01_P012" (solid, pour order 12): 1403,609 1398,604 1345,604 1339,610 1339,867 1403,867
GND on Top Layer "GND_L01_P040" (solid, pour order 40): 2968,1905 3354,1905 3372,1887 3372,1800 3359,1787 2987,1787 2968,1806
Motor_5V on Top Layer "MOTOR_5V_L01_P039" (solid, remove dead copper, pour order 39): 2962,1915 3367,1915 3367,2013 2964.15,2013
Motor_5V on Top Layer "MOTOR_5V_L01_P038" (solid, pour order 38): 116,2444 26,2444 20,2450 20,2542 28,2550 116,2549
GND on Top Layer "GND_L01_P037" (solid, pour order 37): 2953,679 3751,679 3779,707 3779,760 3761,778 2954,778 2943,767 2943,689 2950,682
5V on Top Layer "5V_L01_P036" (solid, pour order 36): 3451,403 3440,392 3351,392 3339,404 3339,641 3363,665 3874,665 3874,601 3731.01,601 3717.74,614.27 3490.28,614.27 3451,575
VBUS_5V on Top Layer "VBUS_5V_L01_P034" (solid, pour order 34): 2839,527 2766,527 2753,540 2753,660 2761,668 3210,668 3269,609 3269,412 3243,386 3166,386 3142,410 3142,516 3134,524
VBUS_OUT on Top Layer "VBUS_OUT_L01_P033" (solid, pour order 33): 2686,532 2686,672 2675,683 2531,683 2521,673 2521,484 2535,470 2679,470 2687,478
GND on Top Layer "GND_L01_P032" (solid, pour order 32): 3029,970.56 3225,970.56 3232,963.56 3232,904.56 3029,904.56
GND on Top Layer "GND_L01_P031" (solid, pour order 31): 3029,1254.56 3225,1254.56 3232,1247.56 3232,1188.56 3029,1188.56
1.2V on Top Layer "1.2V_L01_P030" (solid, pour order 30): 3107,1023.11 3000,1023.11 2971,1052.11 2971,1087 2871,1087 2871,988.11 2878,981.11 3028,981.11 3040,993.11 3103,993.11 3107,997.11
3.3V on Top Layer "3.3V_L01_P028" (solid, pour order 28): 3107,1278 3000,1278 2971,1249 2971,1159 2965,1153 2881,1153 2871,1163 2871,1313 2878,1320 3028,1320 3040,1308 3103,1308 3107,1304
GND on Top Layer "GND_L01_P026" (solid, pour order 26): 3643,1060 3839,1060 3846,1053 3846,994 3643,994
GND on Top Layer "GND_L01_P025" (solid, pour order 25): 3643,1345 3839,1345 3846,1338 3846,1279 3643,1279
5V on Top Layer "5V_L01_P024" (solid, remove dead copper, pour order 24): 3787,1113 3829,1113 3841,1125 3841,1155 3849,1163 3915,1163 3920,1158 3920,1070 3914,1064 3850,1064 3832,1082 3791,1082 3787,1086
5V on Top Layer "5V_L01_P023" (solid, remove dead copper, pour order 23): 3787,1398 3829,1398 3841,1410 3841,1440 3849,1448 3915,1448 3920,1443 3920,1355 3914,1349 3850,1349 3832,1367 3791,1367 3787,1371
GND on Top Layer "GND_L01_P022" (solid, pour order 22): 1678,713 1649,713 1641,721 1641,758 1647,764 1748,764 1755,757 1755,690 1749,684 1685,684 1678,691
VBAT_5V on Top Layer "VBAT_5V_L01_P021" (solid, pour order 21): 1745,538 1696,538 1694,540 1694,601 1772,601 1772,540 1768,538
VBAT_5V on Top Layer "VBAT_5V_L01_P015" (solid, pour order 15): 1654,622 1491,622 1485,628 1485,757 1490,762 1613,762 1623,752 1623,700 1626,697 1651,697 1654,694
NetPL3_1 on Top Layer "NETPL3_1_L01_P013" (solid, pour order 13): 1420.5,481 1547,481 1554,474 1641,474 1646,479 1646,537 1636,547 1555,547 1512,504 1420.5,504
VBUS_OUT on Top Layer "VBUS_OUT_L01_P011" (solid, pour order 11): 1427,774 1427,859 1434,866 1512,866 1519,859 1519,787 1506,774
VBUS_OUT on Top Layer "VBUS_OUT_L01_P010" (solid, pour order 10): 1425,531 1419,537 1419,601 1427,609 1427,807 1459,807 1459,608 1467,600 1467,531
GND on Top Layer "GND_L01_P009" (solid, pour order 9): 1103,583 1095,591 1095,694 1101,700 1187,700 1194,693 1194,591 1186,583
VBUS on Top Layer "VBUS_L01_P008" (solid, pour order 8): 1075,514 1071,510 994,510 989,515 989,567 993,571 1063,571 1075,559
VBUS on Top Layer "VBUS_L01_P007" (solid, pour order 7): 727.33,660.33 724.33,663.33 724.33,700.19 726.81,702.67 768.67,702.67 773.33,707.33 773.33,726.33 774.33,727.33 830.33,727.33 833.33,724.33 833.33,666.33 827.33,660.33
GND on Top Layer "GND_L01_P006" (solid, pour order 6): 638,640 774,640 785,629 785,544 774,533 651,533 638,546
GND on Top Layer "GND_L01_P005" (solid, pour order 5): 939,251 1020,251 1031,240 1031,155 1023,147 945,147 939,153
GND on Top Layer "GND_L01_P004" (solid, pour order 4): 592,294 592,241 598,235 613,235 616,232 616,199 625,190 824,190 829,195 829,227 817,239 721,239 699,261 699,277 683,293 682,294
GND on Top Layer "GND_L01_P003" (solid, pour order 3): 356,324 363,317 363,240 360,237 341,237 335,231 335,204 325,194 248,194 243,199 243,322 245,324
VBUS on Top Layer "VBUS_L01_P002" (solid, pour order 2): 561,239 561,346.12 571.01,356.12 845.88,356.12 857,345 857,270 850,263 726,263 716,273 716,291 703,304 588,304 586,302 586,242 583,239
VBUS on Top Layer "VBUS_L01_P001" (solid, pour order 1): 396,240 396,389 385,400 283,400 273,390 273,340 281,332 363,332 372,323 372,244 375,241
VBUS on Top Layer "VBUS_L01_P000" (solid, pour order 0): 857,192 857,313 843,327 725,327 716,318 716,258 726,248 828,248 840,236 840,193 841,192
GND on Bottom Layer "GND_L04_P054" (solid, remove dead copper, pour order 54): -67,4072 4147,4072 4270,3949 4270,-44 4142,-172 16,-172 -121,-35 -72,14 -72,2990
Motor_5V on Bottom Layer "MOTOR_5V_L04_P049" (solid, remove dead copper, pour order 49): 3313,1914 3663,1914 3663,2850 3407,2850 3407,2026 3313,2026
Motor_5V on Bottom Layer "MOTOR_5V_L04_P048" (solid, remove dead copper, pour order 48): 415,2849 415,1904 283,1904 283,2458 -19,2458 -33,2472 -33,2556 -24,2565 271,2565 271,2849
VBAT_5V on Bottom Layer "VBAT_5V_L04_P047" (solid, remove dead copper, pour order 47): 2401,330 2401,-65 2347,-119 1769,-119 1724,-74 1724,304 1634,394 980,394 910,464 910,1540 970,1600 970,3583 998,3611 1270,3611 1275,3606 1275,2000 1230,1955 1230,1619 1179,1568 1179,804 1215,768 1614,768 1764,618 1907,475 1907,374 1951,330
GND on Bottom Layer "GND_L04_P020" (solid, pour order 20): 2265,3578 2675,3578 2675,3372 2265,3372
VBAT_5V on Bottom Layer "VBAT_5V_L04_P019" (solid, pour order 19): 1153,3577 1571,3577 1571,3319 1153,3319
VBAT_5V on Bottom Layer "VBAT_5V_L04_P018" (solid, remove dead copper, pour order 18): 2256,328 2678,328 2678,116 2256,116
GND on Bottom Layer "GND_L04_P017" (solid, pour order 17): 1170.77,329 1680,329 1680,121 1171.22,121
3.3V on PWR_03 "3.3V_L03_P051" (solid, remove dead copper, pour order 51): 4132,4223 4221,4134 4221,-399 4070,-550 -91,-550 -295,-346 -295,4123 -195,4223
5V on PWR_03 "5V_L03_P046" (solid, remove dead copper, pour order 46): 4399,1537 3707,1537 3707,553 4453,553 4475,575
VBUS_OUT on PWR_03 "VBUS_OUT_L03_P045" (solid, pour order 45): 1506,774 1413,774 1413,1066 2683,1066 2683,451 2500,451 2500,776.11
VBUS on PWR_03 "VBUS_L03_P042" (solid, remove dead copper, pour order 42): 235,792 1049,792 1049,-229 238,-229
GND on GND_02 "GND_L02_P052" (solid, remove dead copper, pour order 52): -304,4191 4616,4191 4726,4081 4726,-212 4621,-317 -339,-317 -453,-203

## Keep-outs
Keep-Out Layer:
  the board outline again, w10

## Silkscreen, mask and mechanical layers (free items; w line width, h text height)
Top Overlay:
  lines w10: -559,1814 -378,1699 ; -349.72,272.97 -349.72,1572.18 -349.72,2871.39 ; -349,1572.18 299.3,1572.18 299.3,929 ; 292,1572.18 295.3,1572.18 ; 3599,928.57 3599,1578.18 4280,1578.18 4280,2877.39 ; 4280.12,278.97 4280.12,1578.18
  text "GND" at 139,648 h28
  text "TXD" at 139,548 h28
  text "RXD" at 139,448 h28
  text "5V" at 139,348 h28
Bottom Overlay:
  lines w10: 5,927.61 792.4,927.61 792.4,3683.52 5,3683.52 5,927.61 ; 3154.61,927.61 3942.01,927.61 3942.01,3683.52 3154.61,3683.52 3154.61,927.61
Drill Guide:
  lines w10: 683.3,3631 1336.3,3631 1336.3,3924 683.3,3924 683.3,3631 ; 2725.3,3631 3378.3,3631 3378.3,3924 2725.3,3924 2725.3,3631
Mechanical 1:
  circle w10: c1970,3526 r118.11
  lines w10: 3937,3332 3938,3332 ; 0,0 3937,0 3937,3937.01 0,3937.01 0,0 ; 805.56,2180.15 884.3,2180.15 884.3,2573.85 805.56,2573.85 805.56,2180.15 ; 3066.56,2180.15 3145.3,2180.15 3145.3,2573.85 3066.56,2573.85 3066.56,2180.15
  text "M5" at 1712,3468 h28
Drill Drawing:
  circle w10: c445,3796 r80.45
  circle w10: c3498,3801 r80.45
  circle w10: c1968.5,3801 r80.45